# KiCad board FrontEnd_5G.kicad_pcb (continued)
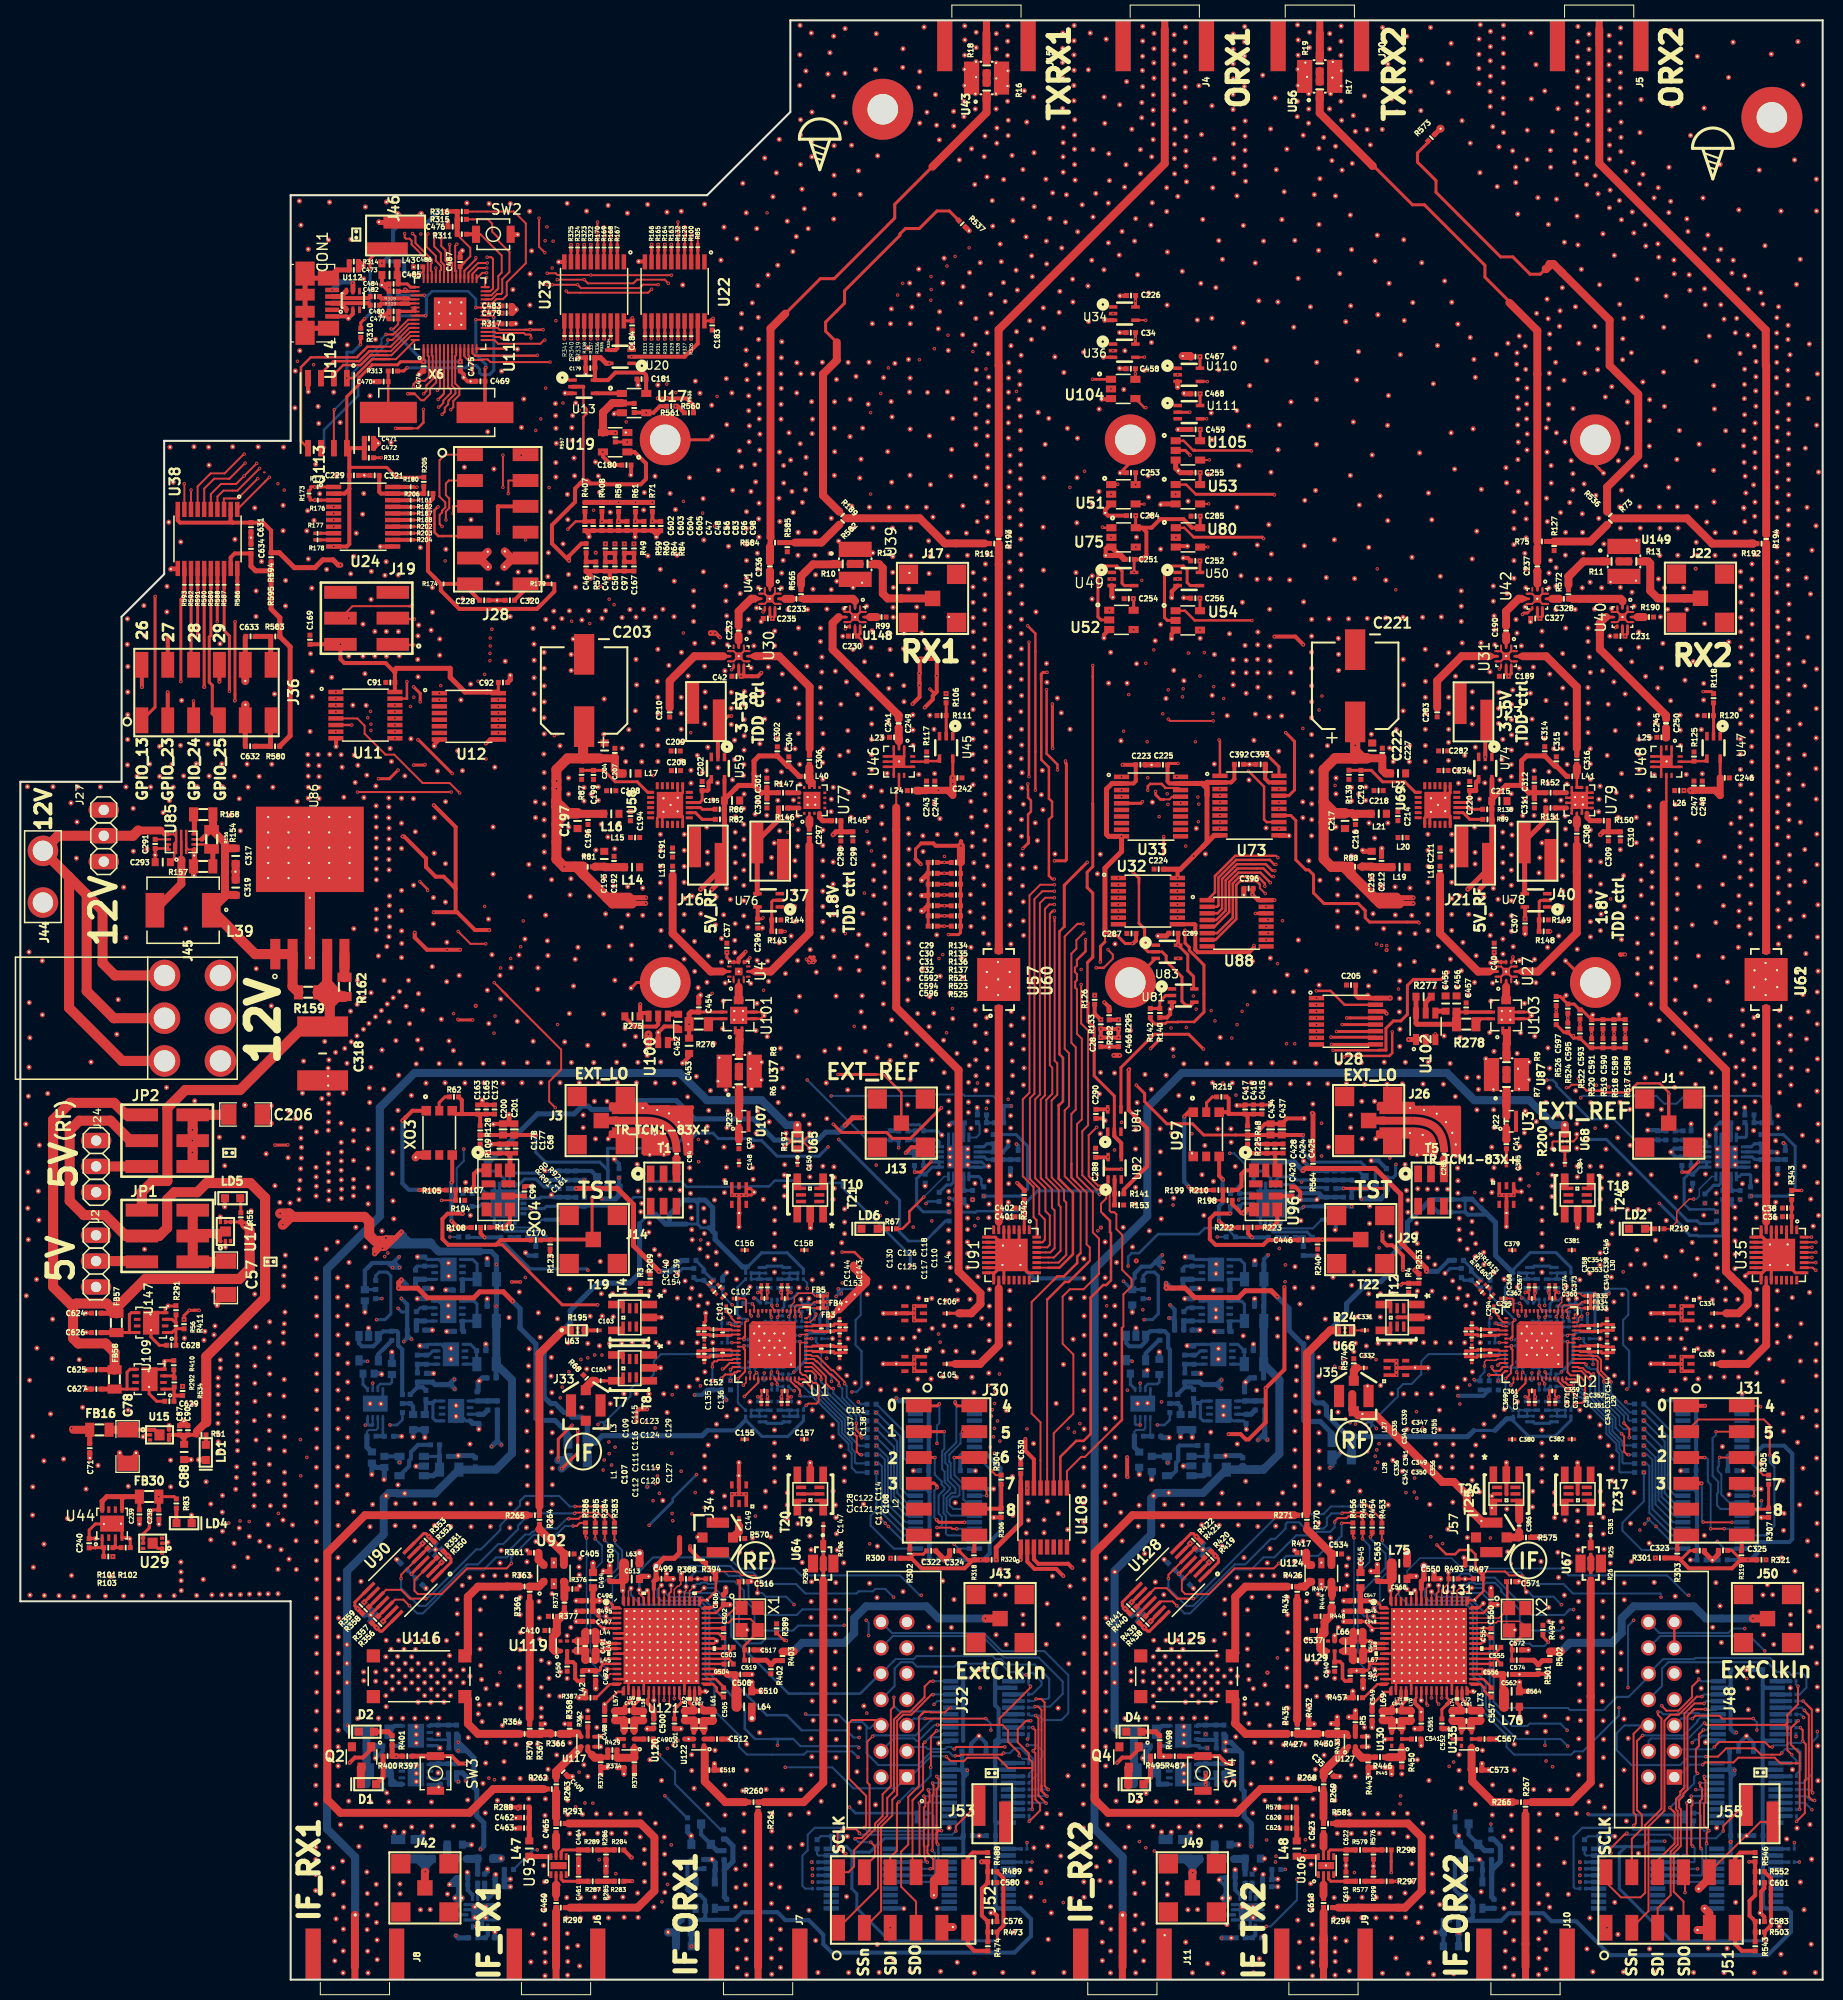
[diagram p0: board, top side]
## Routing (per net, layer and track width the routed paths; a pad name or vN(x,y) marks a point on that pad's centre or on a via; arc(x,y) is an arc through that point) (continued)
/SC1905_1/SDO: length 69.7
  F.RO w0.15: R388.1 64.93,39.34 64.93,38.88 64.72,38.67 64.61,38.67 64.28,38.34 64.28,38.01 U121.54
  F.RO w0.2: 100.38,18.55 100.7,18.23 ; 100.38,18.55 100.7,18.23 ; 100.38,18.55 100.38,19.07 ; 100.38,18.55 100.38,19.07 ; 100.7,18.23 100.9,18.03 v2(100.92,18.03) ; 100.38,19.07 100.38,26.51 100.06,26.83 99.74,26.83 v2(99.74,26.84)
  F.RO w0.25: 64.94,40.02 64.93,40.03 ; R388.1 64.94,39.43
  F.RO w0.4: 64.98,39.9 64.97,39.91 64.97,39.4 R388.1
  B.FR4 w0.25: J32.12 85.66,32.61 85.84,32.79 v2(85.84,37.59)
  B2.RO w0.2: J32.12 85.77,33.77 94.56,33.77 96.67,31.66 100.1,31.66 102.47,29.29 102.47,28.09 101.22,26.84 v2(99.74,26.84) 99.64,26.74 R478.2 ; v2(100.92,18.03) 100.92,18.04 R464.2 ; 64.97,39.91 65.03,39.91 65.78,40.66 69.79,40.66 70.42,40.03 72.04,40.03 73.18,38.89 76.25,38.89 77.18,37.96 82.2,37.96 82.41,38.17 83.81,38.17 84.05,38.41 85.02,38.41 v2(85.84,37.59)
/SC1905_1/SDO_CPU: length 10.4
  F.RO w0.2: v2(89.16,11.54) 88.94,11.76 88.94,11.96 88.87,12.03 88.87,13.1 88.82,13.15 88.82,16.91 88.96,17.05 88.96,17.82 88.82,17.96 v2(88.82,18.04)
  B2.RO w0.2: v2(89.16,11.54) 89.15,11.55 88.04,11.55 ; v2(88.82,18.04) 88.83,18.03 91.33,18.03 U132.15
/SC1905_1/SDO_EXT: length 26.6
  F.RO w0.2: 89.15,26.32 88.84,26.32 ; 89.15,26.32 88.84,26.32 ; 89.15,26.32 89.45,26.32 89.5,26.27 90.87,26.27 91.31,26.71 v2(91.45,26.71) ; 88.84,26.32 88.59,26.07 88.84,26.32 ; 88.84,26.32 88.33,25.81 88.33,19.02 87.28,17.97 87.28,13.28 86.58,12.58 86.58,9.14 88.05,7.67 J52.4
  B2.RO w0.2: v2(91.45,26.71) 91.46,26.72 91.46,26.74
/SC1905_1/SSN: length 69.5
  F.RO w0.15: U121.52 65.29,37.18 65.29,38.11 65.44,38.26 65.44,38.63
  F.FR4 w0.2: v2(81.46,36.38) 82.09,36.38 v2(83.15,35.32)
  B.FR4 w0.2: v2(98.85,29.96) 98.36,29.96 98.12,29.72 98.12,25.43 99.24,24.31 99.31,24.31 99.29,24.33 99.29,24.31 99.5,24.31 99.76,24.05 99.76,23.35 99.46,23.05 v2(98.99,23.05)
  B.FR4 w0.25: J32.8 83.38,28.76 v2(83.38,33.82)
  B2.RO w0.15: 99.59,28.17 99.46,28.04 R476.2 ; R462.2 100.16,20.36
  B2.RO w0.2: 98.64,29.96 98.37,30.23 ; 98.64,29.96 98.37,30.23 ; 98.64,29.96 99.04,29.96 99.24,30.16 99.51,30.16 ; 98.37,30.23 98.36,30.24 97.24,30.24 96.43,31.05 92.12,31.05 91.84,30.77 88.13,30.77 87.7,31.2 86.55,31.2 85.94,30.59 85.94,28.86 J32.8 ; v2(81.46,36.38) 81.45,36.39 76.87,36.39 76.32,35.84 73.19,35.84 71.58,37.45 71.58,38.76 70.65,39.69 69.61,39.69 69.18,40.12 66.41,40.12 65.89,39.6 65.44,39.15 65.44,38.63 ; v2(83.38,33.82) 83.38,35.09 v2(83.15,35.32) ; 100.16,20.36 100.16,21.58 100.47,21.89 100.47,22.46 99.88,23.05 v2(98.99,23.05) ; 99.51,30.16 99.1,30.16 98.9,29.96 v2(98.85,29.96) ; 99.51,30.16 99.75,29.92 ; 99.51,30.16 99.75,29.92 ; 99.75,29.92 100.38,29.29 100.38,28.96 99.59,28.17 ; R476.2 99.46,28.04 ; R462.2 99.17,19.34
/SC1905_1/SSN_CPU: length 12.7
  F.RO w0.2: v2(89.64,12.71) 89.67,12.74 89.67,18.14 89.77,18.24 89.77,19.11 89.68,19.2 v2(89.68,19.33)
  B2.RO w0.2: v2(89.64,12.71) 89.9,12.45 89.9,10.36 89.78,10.24 88.04,10.24 ; v2(89.68,19.33) 90.16,19.33 90.16,19.34 U132.17
/SC1905_1/SSN_EXT: length 28
  F.RO w0.2: v2(89.72,28.01) 89.55,28.01 87.59,26.05 86.78,26.05 86.19,25.46 86.19,18.16 85.71,17.68 85.71,16.14 84.61,15.04 84.61,6.74 J52.2
  B2.RO w0.2: v2(89.72,28.01) 89.75,28.03 U134.18
/SC1905_1/STATO: length 114.3
  F.RO w0.15: 63.02,38.76 62.77,38.51 62.77,37.18 U121.57
  F.RO w0.2: v2(90.15,25.04) 96.25,25.04 ; v2(54.93,20.39) 54.92,20.4 54.92,20.41 ; 96.25,25.04 96.25,25.66 99.3,28.71 v2(99.3,28.84) ; 96.25,25.04 96.54,25.04 97.09,24.49 97.09,23.39 98.19,22.29 v2(98.19,22.02)
  F.RO w0.4: v2(32.37,21.32) 32.88,21.83 33.67,21.83 34.49,22.65 Q2.1
  F.FR4 w0.2: J32.4 84.25,22.81 v2(82.43,22.81)
  F.FR4 w0.4: v2(74.43,23.03) 74.43,21.37 73.88,20.82 72.79,20.82 71.72,21.89 67.62,21.89 67.13,21.4 65.44,21.4 65.03,20.99 65.03,19.54 64.39,18.9 55.48,18.9 55.32,19.06 55.32,19.07 54.93,19.46 v2(54.93,20.39)
  B.FR4 w0.4: v2(54.93,20.39) 54,21.32 51.41,21.32 50.77,20.68 45.97,20.68 43.52,18.23 39.29,18.23 38.86,18.66 38.31,18.66 36.87,20.09 35.2,20.09 33.97,21.32 v2(32.37,21.32) ; v2(54.93,20.39) 54.95,20.37 v2(54.93,20.39)
  B2.RO w0.15: 73.91,23.65 73.94,23.65 ; v2(98.19,22.02) 98.52,21.69 98.7,21.69
  B2.RO w0.2: 68.5,29.34 67.72,30.12 67.72,36.35 66.83,37.24 63.02,37.24 62.64,37.62 62.64,38.38 63.02,38.76 ; v2(90.15,25.04) 89.86,25.04 88.28,23.46 88.1,23.46 87.85,23.71 85.87,23.71 J32.4 ; v2(99.3,28.84) 99.11,29.03 R475.2 ; 99.02,21.67 99.14,21.56 R460.2 ; 99.02,21.67 99,21.69 98.7,21.69 ; 99.02,21.67 99.02,21.65 99.02,21.67 ; 75.98,23.65 76.68,22.95 82.29,22.95 v2(82.43,22.81) ; 74.45,23.05 v2(74.43,23.03) ; 72.23,23.65 73.91,23.65
  B2.RO w0.25: 74.45,23.65 75.98,23.65 ; 74.45,23.65 73.91,23.65 ; 74.45,23.65 74.45,23.05 ; 72.23,23.65 71.22,24.66 71.22,26.62 68.5,29.34
/SC1905_1/STATO_EXT: length 30.5
  F.RO w0.2: v2(89.72,29.33) 89.42,29.33 88.89,28.8 88.89,27.77 87.47,26.35 86.66,26.35 85.88,25.57 85.88,18.53 85.22,17.87 85.22,16.11 84.31,15.2 84.31,8.98 J52.1
  B2.RO w0.2: v2(89.72,29.33) 89.72,29.34 U134.20
/SC1905_1/VG0: length 3.3
  F.RO w0.3: v2(33.16,36.45) 32.89,36.72 32.89,37.1 34.25,38.46 U90.8
  F.RO w0.4: v2(33.16,36.45) R358.2
  B2.RO w0.3: v2(33.16,36.45) C404.2
/SC1905_1/VG1: length 3.4
  F.RO w0.3: v2(40.18,43.53) 40.18,43.52 R353.2 39.87,43.84 39.63,43.84 U90.7
  F.RO w0.4: R352.2 40.66,43.05 R353.2
/SC1905_1/VG2: length 3.4
  F.RO w0.3: 35.03,34.59 35.36,34.26 35.56,34.26 37.01,35.71
  F.RO w0.4: R357.2 v2(35.03,34.58)
  B2.RO w0.4: v2(35.03,34.58) 35.04,34.59 C403.2
/SC1905_1/VG3: length 3.3
  F.RO w0.3: U90.1 42.33,41.02 42.33,41.37 R350.2 v2(42.05,41.66)
  F.RO w0.4: R350.2 42.05,41.66 R351.2
/SC1905_1/WDTEN: length 66
  F.RO w0.15: 67.22,38.51 66.83,38.12 66.53,38.12 66.28,37.87 U121.50
  F.RO w0.2: v2(99.47,16.74) 99.47,20.8 ; 99.47,20.8 97.11,20.8 96.1,21.81 93.09,21.81 92.76,21.48 91.46,21.48 v2(91.02,21.92) ; 99.47,20.8 99.47,21.4 99.14,21.73 99.14,22.23 98.05,23.32 98.05,24.62 98.87,25.44 v2(99.32,25.44)
  F.RO w0.25: R389.1 75.1,33.32 v2(75.31,33.32)
  B.FR4 w0.25: v2(75.19,20.87) 75.45,21.13 75.45,31.28 75.19,31.54 75.19,33.2 v2(75.31,33.32)
  B2.RO w0.2: v2(99.32,25.44) 99.12,25.44 R480.2 ; v2(91.02,21.92) 90.98,21.96 89.53,21.96 87.48,19.91 J32.1 86.05,18.81 81.87,18.81 79.81,20.87 v2(75.19,20.87) ; 73.54,33.51 73.26,33.51 72.8,33.05 71.53,33.05 70.64,33.94 70.64,36.73 69.75,37.62 69.11,37.62 68.22,38.51 67.22,38.51 ; R466.2 v2(99.47,16.74)
  B2.RO w0.25: v2(75.31,33.32) 75.12,33.51 73.54,33.51
/SC1905_1/WDTEN_EXT: length 25.1
  F.RO w0.2: v2(82.05,13.85) 82.11,13.91 82.7,13.91 83.48,14.69 83.48,19.16 83.26,19.38 83.26,23.4 v2(83.78,23.92) ; v2(83.6,13.51) 84,13.11 84,12.1 82.97,11.07 J52.8 82.96,10.57
  B2.RO w0.2: v2(82.05,13.85) 82.39,13.51 v2(83.6,13.51) ; v2(83.78,23.92) 83.87,24.01 88.03,24.01 89.46,25.44 89.5,25.44 89.8,25.73 90.36,25.73 90.66,25.44 U134.14
/SC1905_2/ADCIN0N(P7): length 18.7
  F.RO w0.15: v2(138.72,27.69) U131.25
  F.FR4 w0.15: 138.73,24.23 138.94,24.44 138.94,27.47 v2(138.72,27.69)
  F.FR4 w0.2: 138.73,24.23 138.73,21.37
  F.FR4 w0.25: 138.73,21.37 138.73,20.6 136.19,18.06 v2(135.68,18.06)
  B.FR4 w0.2: v2(135.68,18.06) 136.03,17.71 137.38,17.71 138.53,16.56 v2(141.05,16.56)
  B2.RO w0.4: v2(141.05,16.56) 141.03,16.54 R451.1
/SC1905_2/ADCIN0P(P6): length 29.4
  F.RO w0.15: U131.24 138.22,27.29
  F.RO w0.2: 138.22,27.08 v2(138.33,26.97) ; 138.22,27.08 v2(138.33,26.97) ; 138.22,27.08 v2(138.33,26.97) ; 138.22,27.08 138.22,27.29
  F.FR4 w0.2: 138.35,21.94 138.35,21.48 138.34,21.48 136.44,19.58 135.31,19.58 134.79,19.06 134.79,18.69 134.78,18.69 134.78,18.14 v2(135.63,17.29) ; 138.35,21.94 138.35,26.95 ; 138.35,21.94 138.35,26.95 ; 138.35,26.95 v2(138.33,26.97)
  B.FR4 w0.2: v2(144.56,15.29) 144.56,15.36 144.24,15.68 138.83,15.68 137.22,17.29 v2(135.63,17.29) ; v2(138.33,26.97) 138.32,26.97
  B2.RO w0.2: v2(144.56,15.29) R452.1 144.56,14.78
/SC1905_2/ADCIN1N(P10): length 40.7
  F.RO w0.15: v2(139.72,27.68) U131.27
  F.FR4 w0.15: 139.74,23.05 139.74,23.12 141.05,24.43 141.05,26.21 139.72,27.54 v2(139.72,27.68)
  F.FR4 w0.2: 139.74,18.73 139.74,23.05 ; 122.46,5.22 v2(122.47,5.23) 122.46,5.22 ; 122.46,5.22 v2(120.19,5.22)
  F.FR4 w0.25: 139.74,18.73 139.74,16.24 136.93,13.43 136.12,13.43 135.53,12.84 127.62,12.84 127.32,12.54 126.85,12.54 126.69,12.7 v2(126.25,12.7)
  B.FR4 w0.2: v2(125.49,9.86) 125.49,12.42 125.77,12.7 v2(126.25,12.7)
  B2.RO w0.2: v2(122.47,5.23) 122.9,5.23 125.49,7.82 v2(125.49,9.86)
  B2.RO w0.3: IC2.11 v2(120.19,5.22) IC2.12
/SC1905_2/ADCIN1P(P9): length 30
  F.RO w0.15: v2(139.42,27.08) 139.22,27.28 U131.26
  F.FR4 w0.15: v2(139.42,27.08) 139.42,25.14 139.36,25.08 139.36,24.9
  F.FR4 w0.2: v2(126.33,13.76) 135.11,13.76 138.36,17.01 138.36,17.69 139.36,18.69 139.36,24.9
  B.FR4 w0.2: v2(124.35,10.84) 124.35,12.65 125.46,13.76 v2(126.33,13.76)
  B2.RO w0.2: v2(124.35,10.84) 124.34,10.83 R459.2
/SC1905_2/DGPIN0: length 77.2
  F.RO w0.15: 135.49,38.37 135.49,38.03 135.22,37.76 U131.63
  F.FR4 w0.2: J48.7 162.14,27.53 161.02,28.65 159.58,28.65 158.54,27.61 158.04,27.61 v2(157.15,26.72)
  F.FR4 w0.3: J48.7 162.59,28.05 163.87,29.33 163.87,30.86 164.15,31.14 165.3,31.14 166.84,29.6 v2(169.71,29.6)
  B.FR4 w0.2: v2(174.88,11.56) 174.89,11.57 174.89,12.13 173.96,12.13 170.88,15.21 170.88,23.62 169.16,25.34 169.16,29.04 169.71,29.59 v2(169.71,29.6)
  B2.RO w0.15: 149.29,22.12 149.39,22.12 ; 135.49,38.37 135.49,37.8 135.99,37.3
  B2.RO w0.2: v2(174.88,11.56) 174.87,11.55 R531.2 ; 135.99,37.3 136.44,36.85 142.16,36.85 142.79,36.22 142.79,29.87 143.68,28.98 143.68,26.44 146.09,24.03 146.09,22.88 146.85,22.12 152.46,22.12 152.78,22.44 153.61,22.44 157.15,25.98 v2(157.15,26.72)
/SC1905_2/DGPIN1: length 64.2
  F.RO w0.15: U131.56 138.72,38.13
  F.RO w0.2: v2(170.35,25.66) 167.29,25.66 167,25.95 164.66,25.95 v2(164.37,25.66)
  F.FR4 w0.2: v2(152.05,24.51) 152.13,24.43 ; J48.5 162.59,23.86 162.29,23.56 159.77,23.56 159.2,22.99 157.74,22.99 156.29,24.44 153.57,24.44 153.57,24.43
  F.FR4 w0.3: 152.13,24.43 153.57,24.43
  B.FR4 w0.2: 171.67,23.57 v2(170.7,24.54) ; 171.67,23.57 174.23,23.57 v2(174.55,23.89) ; 171.67,23.57 171.67,23.42 171.66,23.41 171.66,16.93 174.39,14.2 v2(174.39,13.47)
  B2.RO w0.15: 149.37,25.17 149.39,25.17
  B2.RO w0.2: v2(164.37,25.66) 163.26,25.66 J48.5 ; v2(170.35,25.66) 170.7,25.31 170.7,25.23 170.69,25.22 170.7,25.22 v2(170.7,24.54) ; v2(174.39,13.47) 174.39,13.47 R530.2 ; v2(152.05,24.51) 151.39,25.17 148.38,25.17 148.14,24.93 146.59,24.93 144.44,27.08 144.44,35.58 142.4,37.62 139.23,37.62 138.72,38.13 ; R511.2 174.55,24.12 v2(174.55,23.89) 174.54,23.9 R511.2 ; R511.2 174.59,24.09
/SC1905_2/DGPIN1_EXT: length 20.6
  F.RO w0.2: v2(163.64,8.56) 163.64,10.41 J51.10 ; v2(164.35,23.3) 164.36,23.29 v2(164.35,23.3)
  B.FR4 w0.2: v2(163.64,8.56) 163.39,8.56 163.39,11.25 163.13,11.51 163.13,17.86 164.28,19.01 164.28,23.23 v2(164.35,23.3)
  B2.RO w0.2: U136.12 166.03,24.13 165.89,23.99 165.33,23.99 164.94,23.6 164.65,23.6 v2(164.35,23.3)
/SC1905_2/EXTCLKIN(P20): length 3.2
  F.RO w0.15: C574.1 147.61,31.4
  F.RO w0.5: R502.2 149.62,31.36 R501.2 148.78,31.4 C574.1
/SC1905_2/LOADENB: length 74.1
  F.RO w0.15: 136.31,38.38 136.72,37.97 U131.60
  F.RO w0.2: v2(166.52,22.87) 167.01,23.36 171.48,23.36 171.97,22.87 v2(172.21,22.87) ; v2(174.97,24.77) 175.21,24.53 v2(175.21,23.44) 175.51,23.14 175.51,19.69 175.42,19.6 175.42,16.37 v2(174.61,15.56)
  B.FR4 w0.3: J48.3 162.59,22.95 164.12,24.48 164.12,24.79 163.7,25.21 163.7,26.53 163.97,26.8 163.97,30.57 164.01,30.61 v2(164.01,37.78)
  B2.RO w0.15: 149.39,40.41 143.04,40.41 142.78,40.67 141.44,40.67 140.68,41.43 137.58,41.43 136.31,40.16 136.31,38.38
  B2.RO w0.2: v2(174.61,15.56) 174.61,16.06 R529.2 174.59,16.09 ; v2(174.97,24.77) 174.55,24.77 R510.2 ; 163.01,22.87 J48.3 162.57,22.44 162.77,22.64 166.29,22.64 v2(166.52,22.87) ; v2(164.01,37.78) 163.84,37.78 161.89,39.73 152.2,39.73 151.52,40.41 149.39,40.41 ; v2(175.21,23.44) 175.04,23.27 173.77,23.27 173.77,23.16 173.64,23.03 172.37,23.03 v2(172.21,22.87)
/SC1905_2/LOADENB_EXT: length 18.1
  F.RO w0.2: v2(162.14,16.9) 162.5,16.53 162.53,16.53 162.62,16.44 162.62,13.39 160.95,11.72 J51.9 ; v2(165.46,24.55) 165.01,24.1 165.01,23.3 165.01,23.36 165.01,22.97 164.71,22.67 164.71,20.44 v2(164.87,20.28)
  B2.RO w0.2: v2(162.14,16.9) 164.54,19.3 164.54,19.95 v2(164.87,20.28) ; v2(165.46,24.55) 165.78,24.55 166.01,24.78 U136.13
/SC1905_2/MGPO0(P34): length 30.1
  F.RO w0.2: v2(115.31,37.45) 113.72,37.45 112.69,38.48 111.55,38.48 U128.10 ; v2(131.97,46.71) 132.32,46.71 133.84,45.19 R453.2
  F.RO w0.3: R440.1 U128.10
  B2.RO w0.2: v2(115.31,37.45) 115.42,37.45 123.72,45.75 128.09,45.75 128.85,46.51 131.45,46.51 131.65,46.71 v2(131.97,46.71)
/SC1905_2/MGPO1(P35): length 31.4
  F.RO w0.2: v2(129.92,45.83) 129.99,45.9 132.24,45.9 132.89,45.25 R454.2 ; v2(112.86,39.42) 112.86,39.79 U128.5
  F.RO w0.3: U128.5 R421.1
  B2.RO w0.2: v2(112.86,39.42) 112.86,38.49 114.61,36.74 115.31,36.74 119.39,40.82 120.42,40.82 122.93,43.33 123.36,43.33 124.38,44.34 124.38,44.78 124.55,44.95 125.7,44.95 126.32,44.33 128.11,44.33 128.43,44.65 128.43,45.36 128.9,45.83 v2(129.92,45.83)
/SC1905_2/MGPO2(P37): length 28.5
  F.RO w0.2: v2(113.69,36.75) 113.26,37.18 112.12,37.18 111.08,36.14 U128.12 ; v2(129.2,44.98) 129.2,45.07 129.49,45.36 130.36,45.36 130.54,45.54 131.66,45.54 131.95,45.25 R455.2
  F.RO w0.3: U128.12 R439.1
  B2.RO w0.2: v2(113.69,36.75) 114.44,36 114.99,36 119.3,40.31 121.01,40.31 122.21,41.51 123.27,41.51 125.43,43.67 127.09,43.67 127.44,44.02 128.76,44.02 129.2,44.46 v2(129.2,44.98)
/SC1905_2/MGPO3(P38): length 24.7
  F.RO w0.2: v2(123.71,40.91) 123.22,40.42 119.35,40.42 116.83,37.9 114.51,37.9 114.18,38.23 114.18,39.27 U128.3 ; v2(129.88,44.85) 129.92,44.89 130.07,44.89 R456.2
  F.RO w0.3: U128.3 R420.1
  B2.RO w0.2: v2(123.71,40.91) 124.46,41.66 127.58,41.66 128.41,42.49 128.76,42.49 129.88,43.61 v2(129.88,44.85)
/SC1905_2/RESETN: length 140.4
  F.RO w0.15: 144.07,40.12 143.75,39.8 R497.1
  F.RO w0.2: 144.07,40.12 145.96,40.12 146.35,39.73 147.62,39.73 147.9,39.45 147.9,38.25 148.05,38.1 148.04,38.12 ; 159.39,24.99 J48.6 159.41,24.99 158.58,24.16 158.58,16.42 158.81,16.19 158.81,15.36 v2(158.61,15.16) ; v2(173.15,22.28) 172.99,22.12 171.1,22.12 170.48,22.74 167.69,22.74 166.87,21.92 v2(165.68,21.92)
  F.RO w0.25: R497.1 143.81,39.34 143.81,38.19 142.91,37.29 142.34,37.29 U131.49 ; v2(139.25,42.73) 140.16,41.82 141.04,41.82 141.45,42.23 142.61,42.23 143.04,41.8 143.04,40.51
  F.RO w0.4: v2(119.19,21.24) 118.57,21.24 117.84,21.97 SW4.2 116.24,21.96 ; 143.04,40.51 143.75,39.8 R497.1
  F.RO w0.5: 116.24,21.96 R487.1
  F.FR4 w0.25: v2(139.25,42.73) 139.13,42.61 135.14,42.61 134.16,41.63 133.14,41.63 132.06,40.55 132.06,39.07 130.93,37.94 129.4,37.94 127.74,36.28 127.74,33.66 126.85,32.77 125.91,32.77 124.77,31.63 v2(123.57,31.63)
  B.FR4 w0.2: J48.6 160.05,25.07 156.38,28.74 156.38,29.07 155.8,29.65 152.61,29.65 152.55,29.59 152.43,29.71 152.43,35.07 151.9,35.6 151.9,36.45 v2(151.49,36.86)
  B.FR4 w0.4: v2(119.19,21.24) 118.28,21.24 117.59,21.93 117.59,25.54 119.81,27.76 122.46,27.76 123.58,28.88 123.58,30.96
  B.FR4 w0.5: 123.58,30.96 123.57,30.97 v2(123.57,31.63)
  B2.RO w0.2: v2(151.49,36.86) 150.71,37.64 148.73,37.64 148.25,38.12 148.04,38.12 ; R551.2 152.84,8.95 152.69,9.1 152.69,14.09 153.53,14.93 158.37,14.93 158.55,14.75 164.2,14.75 164.49,15.04 R545.2 ; J48.6 157.69,24.99 156.91,24.21 156.91,22.57 158.39,21.09 163.16,21.09 163.99,21.92 v2(165.68,21.92) ; R513.2 174.59,20.23 175,20.64 175,22.4 174.72,22.68 173.5,22.68 173.15,22.33 v2(173.15,22.28) ; 158.37,14.92 v2(158.61,15.16)
/SC1905_2/RESETN_CPU: length 16.9
  F.RO w0.2: v2(165.53,19.98) 165.51,19.96 165.51,19.73 165.65,19.59 165.65,17.42 165.51,17.28 165.51,15.12 v2(165.99,14.64) 165.76,14.41 v2(165.76,13.37)
  B2.RO w0.2: R542.2 165.3,9.61 165.69,10 165.69,13.3 v2(165.76,13.37) ; R544.2 164.95,16.37 165.21,16.11 165.21,14.95 165.52,14.64 v2(165.99,14.64) ; 166.77,19.99 U137.18 v2(165.53,19.98)
/SC1905_2/SCLK: length 58.7
  F.RO w0.15: 141.65,38.63 141.64,38.63 141.22,38.21 U131.51
  F.RO w0.2: v2(175.3,25.77) 175.3,25.76
  F.FR4 w0.2: v2(151.65,34.56) 151.68,34.59 159.49,34.59 J48.14
  B.FR4 w0.2: 175.3,25.75 175.3,25.5 175.61,25.19 175.61,24.72 176.04,24.29 176.04,19.13 175.21,18.3 175.21,17.61 v2(176.11,16.71) ; 175.3,25.75 174.91,26.14 173.11,26.14 170.63,28.62 170.63,33.39 v2(169.51,34.51) ; 175.3,25.75 v2(175.3,25.77)
  B2.RO w0.2: 145.57,38.39 144.95,39.01 144.06,39.01 143.94,38.89 143.04,38.89 142.91,39.02 142.41,39.02 142.28,38.89 142.23,38.89 142.17,38.83 141.85,38.83 141.65,38.63 ; 174.68,26.09 R508.2 ; R508.2 174.99,26.09 v2(175.3,25.77) ; R508.2 174.67,25.96 ; R527.2 175.44,17.39 v2(176.11,16.71) ; J48.14 161.12,34.08 167.9,34.08 168.33,34.51 v2(169.51,34.51) ; v2(151.65,34.56) 151.4,34.31 148.38,34.31 147.4,35.29 147.4,36.33 145.57,38.16
  B2.RO w0.25: 145.57,38.39 145.57,38.16
/SC1905_2/SCLK_CPU: length 8.5
  F.RO w0.2: v2(163.83,17.38) 163.83,12.22 v2(163.82,12.21)
  B2.RO w0.2: v2(163.83,17.38) 163.83,17.38 U137.14 ; v2(163.82,12.21) 163.82,12.21 ; v2(163.82,12.21) 163.82,12.21 ; v2(163.82,12.21) 163.82,12.21 ; 163.82,12.21 R538.2
/SC1905_2/SCLK_EXT: length 30.8
  F.RO w0.2: 155.87,11.04 J51.7 155.87,9.56 157.34,8.09 159.27,8.09 159.72,8.54 159.72,15.19 161.32,16.79 161.32,25.68 160.98,26.02 v2(160.98,26.31)
  B2.RO w0.2: v2(160.98,26.31) 161.28,26.31 161.51,26.08 162.84,26.08 162.95,26.19 164.97,26.19 165.08,26.08 U136.15
/SC1905_2/SDI: length 64.5
  F.RO w0.15: 140.25,38.13 140.22,38.1 U131.53
  F.RO w0.2: v2(176.19,18.36) 176.11,18.44 176.11,26.53 176.03,26.61 ; 175.74,26.9 175.25,27.39 v2(175.25,27.39) ; 175.74,26.9 176.01,26.63 ; 175.74,26.9 176.03,26.61 ; 176.01,26.63 176.03,26.61 ; 176.01,26.63 176.03,26.61
  B.FR4 w0.2: v2(172.35,31.26) 172.35,29.29 174.25,27.39 v2(175.25,27.39)
  B2.RO w0.2: v2(176.19,18.36) 176.2,18.36 175.88,18.69 R515.2 ; J48.10 161.48,31.5 164.55,31.5 164.67,31.62 171.99,31.62 v2(172.35,31.26) ; J48.10 160.05,29.44 ; J48.10 160.05,29.76 158.09,27.8 156.96,27.8 155.66,26.5 152.34,26.5 152.14,26.7 145.45,26.7 144.82,27.33 144.82,36.22 144.56,36.48 144.56,37.11 143.67,38 140.76,38 140.63,38.13 140.25,38.13 ; R506.2 v2(175.25,27.39)
/SC1905_2/SDI_CPU: length 13.2
  B.FR4 w0.2: v2(164.69,18.68) 165.05,18.32 165.05,14.36 165.36,14.05 166.03,14.05 166.63,13.45 166.63,12.64 164.89,10.9 v2(164.88,10.9)
  B2.RO w0.2: v2(164.69,18.68) 164.7,18.68 U137.16 ; v2(164.88,10.9) R540.2
/SC1905_2/SDI_EXT: length 26.7
  F.RO w0.2: 163.21,18.5 163.17,18.46 163.17,18.18 162.76,17.77 162.76,16.74 162.92,16.58 162.92,13.27 162.23,12.58 162.23,8.3 160.95,7.02 J51.3 ; 163.21,18.5 163.55,18.84 163.56,18.84 163.57,18.85 ; 163.21,18.5 163.57,18.86 163.57,19.05 163.58,19.06 163.58,26.16 164.57,27.15 v2(165.52,27.15)
  B2.RO w0.2: 166.83,27.3 U136.17 165.75,27.38 v2(165.52,27.15)
/SC1905_2/SDO: length 64.9
  F.RO w0.15: R493.1 140.37,39.34 140.37,38.94 139.72,38.29 U131.54
  F.RO w0.2: v2(176.38,17.61) 176.18,17.61 175.81,17.98 175.81,26.01 175.38,26.44 v2(175.38,26.47) ; v2(175.38,26.47) 175.37,26.46 v2(175.38,26.47)
  F.RO w0.25: R493.1 140.38,39.45 140.38,40.03
  F.FR4 w0.2: v2(161.28,37.59) 161.43,37.44 161.43,32.87 161.17,32.61 J48.12
  B.FR4 w0.2: v2(171.48,32.32) 171.48,29.04 173.65,26.87 174.98,26.87 v2(175.38,26.47)
  B2.RO w0.15: 149.39,38.89 148.63,38.89 147.49,40.03 142.92,40.03 142.67,40.28 141.51,40.28 141.26,40.03 140.38,40.03
  B2.RO w0.2: 174.62,26.74 R507.2 175.12,26.74 v2(175.38,26.47) ; J48.12 161.22,33.78 170.01,33.78 170.85,32.94 170.85,32.94 171.47,32.32 v2(171.48,32.32) ; v2(161.28,37.59) 161.28,37.86 161.18,37.96 152.62,37.96 151.69,38.89 149.39,38.89 ; R516.2 175.55,18.03 175.9,17.68 176.31,17.68 v2(176.38,17.61)
/SC1905_2/SDO_CPU: length 10.4
  F.RO w0.2: v2(164.25,18.03) 164.25,17.7 164.37,17.59 164.37,17.19 164.25,17.07 164.25,17.07 164.25,13.75 164.25,13.75 164.25,13.26 v2(164.39,13.12)
  B2.RO w0.2: v2(164.25,18.03) 164.26,18.03 U137.15 ; R539.2 164.59,11.55 164.59,12.93 v2(164.39,13.12)
/SC1905_2/SDO_EXT: length 25.6
  F.RO w0.2: 164.54,26.58 164.33,26.37 ; 164.54,26.58 164.33,26.37 ; 164.54,26.58 v2(165.65,26.58) ; 164.33,26.37 163.88,25.92 163.88,18.71 163.64,18.47 163.64,18.46 163.48,18.3 163.48,18.06 163.06,17.64 163.06,16.9 163.22,16.74 163.22,13.12 162.53,12.43 162.53,8.64 163.49,7.68 J51.4
  B2.RO w0.2: U136.16 166.69,26.51 165.85,26.51 165.78,26.58 v2(165.65,26.58)
/SC1905_2/SSN: length 66
  F.RO w0.15: 140.88,38.63 140.88,38.27 140.74,38.13 140.74,37.19 U131.52
  F.FR4 w0.2: v2(158.59,35.32) 157.53,36.38 153.6,36.38
  F.FR4 w0.25: 153.6,36.38 v2(152.69,36.38)
  B.FR4 w0.2: v2(174.29,29.96) 174.81,29.96 175.95,28.82 175.95,25.09 v2(176.65,24.39) ; J48.8 158.87,28.71 v2(158.04,28.71)
  B2.RO w0.2: J48.8 161.38,28.86 161.38,30.59 161.99,31.2 171.73,31.2 172.68,30.24 173.8,30.24 174.08,29.96 v2(174.29,29.96) 174.43,30.1 175.2,30.1 175.57,29.73 175.57,28.7 174.9,28.03 R505.2 ; 152.04,36.12 151.76,35.84 148.62,35.84 144.94,39.52 142.8,39.52 142.41,39.91 141.65,39.91 140.88,39.14 140.88,38.63 ; v2(158.59,35.32) 158.04,34.77 v2(158.04,28.71) ; v2(176.65,24.39) 176.65,23.86 176.12,23.33 176.12,20.19 175.27,19.34 R514.2 174.61,19.34
  B2.RO w0.25: v2(152.69,36.38) 152.3,36.38 152.04,36.12
/SC1905_2/SSN_CPU: length 12.8
  F.RO w0.2: v2(165.12,19.33) 165.12,18.99 165.12,18.99 165.31,18.8 165.31,17.76 165.11,17.56 165.12,17.56 165.12,13.37 165.12,13.37 165.12,12.98 v2(165.22,12.88)
  B2.RO w0.2: v2(165.12,19.33) 165.12,19.33 U137.17 ; v2(165.22,12.88) 165.34,12.76 165.34,10.36 165.22,10.25 R541.2
/SC1905_2/SSN_EXT: length 28
  F.RO w0.2: v2(165.3,27.82) 164.8,27.82 163.03,26.05 162.23,26.05 161.62,25.44 161.62,16.61 160.05,15.04 160.05,6.74 J51.2
  B2.RO w0.2: U136.18 165.51,28.03 v2(165.3,27.82)
/SC1905_2/STATO: length 117.2
  F.RO w0.15: 138.47,38.76 138.22,38.51 U131.57
  F.RO w0.2: v2(174.74,28.84) 174.75,28.83 174.75,27.07 173.7,26.02 173.7,25.26 ; v2(165.56,25.22) 165.74,25.04 173.48,25.04 ; 173.7,25.26 173.48,25.04 ; 173.7,25.26 173.7,24.53 ; 173.7,24.53 173.7,24.82 173.48,25.04 ; 173.7,24.53 173.7,22.55 v2(174.14,22.11)
  F.RO w0.4: v2(107.81,21.32) 108.32,21.83 109.11,21.83 109.94,22.66 Q4.1
  F.FR4 w0.2: v2(152.12,22.95) 152.13,22.96
  F.FR4 w0.25: 142.99,21.88 149.59,21.88 v2(149.98,21.49)
  F.FR4 w0.3: 152.13,22.96 155.8,22.96 157.1,21.66 159.26,21.66 J48.4
  F.FR4 w0.4: 142.99,21.88 142.5,21.39 v2(140.89,21.39) v2(140.46,20.96)
  B.FR4 w0.25: 149.87,22.47 149.87,21.73 ; 149.87,22.47 149.87,21.6 v2(149.98,21.49) ; 149.87,22.47 v2(149.87,23.03)
  B.FR4 w0.4: v2(140.89,21.39) v2(140.46,20.96) 140.46,19.51 139.85,18.9 130.92,18.9 130.39,19.43 130.39,20.37 129.44,21.32 126.86,21.32 126.22,20.68 121.42,20.68 118.97,18.23 114.73,18.23 114.3,18.66 113.28,18.66 112.86,19.08 111.65,19.08 109.41,21.32 v2(107.81,21.32)
  B2.RO w0.15: 149.34,23.65 149.39,23.65
  B2.RO w0.2: 174.58,29.31 R504.2 174.55,29.03 v2(174.74,28.84) ; v2(174.14,22.11) 174.14,21.99 174.58,21.55 R512.2 ; J48.4 160.05,23.46 160.29,23.7 163.96,23.7 165.48,25.22 v2(165.56,25.22) ; v2(152.12,22.95) 151.42,23.65 149.89,23.65 ; 149.89,23.65 149.89,23.05 v2(149.87,23.03) ; 149.89,23.65 147.11,23.65 144.06,26.7 144.06,29.23 143.17,30.12 143.17,36.34 142.27,37.24 138.47,37.24 138.09,37.62 138.09,38.38 138.47,38.76
/SC1905_2/STATO_EXT: length 33.1
  F.RO w0.2: v2(161.35,26.93) 161.35,26.91 161.82,26.44 163,26.44 164.33,27.77 164.33,28.8 164.99,29.46 v2(164.99,29.55) ; v2(155.97,5.11) 155.96,5.1 J51.1
  B.FR4 w0.2: v2(155.97,5.11) 156.39,5.53 157.83,5.53 160.26,7.96 160.26,15.47 161.46,16.67 161.46,25.4 161.57,25.51 161.57,26.85 161.49,26.93 v2(161.35,26.93)
  B2.RO w0.2: v2(164.99,29.55) 165.21,29.33 U136.20
  B2.RO w0.4: 166.9,29.33 U136.20
/SC1905_2/VG0: length 3.3
  F.RO w0.3: U128.8 108.33,37.1 108.33,36.73 v2(108.6,36.46)
  F.RO w0.4: v2(108.6,36.46) R440.2
  B2.RO w0.3: v2(108.6,36.46) C539.2
/SC1905_2/VG1: length 3.4
  F.RO w0.3: U128.7 115.07,43.84 115.32,43.84 v2(115.63,43.53)
  F.RO w0.4: R421.2 v2(115.63,43.53)
/SC1905_2/VG2: length 3.4
  F.RO w0.3: U128.14 111,34.26 110.8,34.26 R438.2
  F.RO w0.4: R439.2 R438.2
  F.RO w0.5: v2(110.48,34.6) R438.2
/SC1905_2/VG3: length 3.3
  F.RO w0.3: R419.2 117.77,41.37 117.77,41.03 U128.1
  F.RO w0.4: v2(117.49,41.65) R419.2 117.48,41.67 R420.2
/SC1905_2/WDTEN: length 68.9
  F.RO w0.15: 142.67,38.51 142.28,38.12 141.97,38.12 141.72,37.87 U131.50
  F.RO w0.2: v2(174.91,16.74) 174.91,21.27 ; 174.91,21.27 173,21.27 172.46,21.81 168.87,21.81 168.41,21.35 165.6,21.35 v2(165.38,21.13) ; 174.91,21.27 174.91,22.25 174.05,23.11 174.05,24.73 v2(174.76,25.44)
  F.RO w0.3: R494.1 149.67,33.71 v2(150.2,33.18)
  F.FR4 w0.3: J48.1 162.59,18.7 162.14,18.25 158.03,18.25 156.24,20.05 ; v2(150.62,20.93) 154.07,20.93 ; 155.35,20.93 156.24,20.05 ; 155.35,20.93 154.07,20.93 ; 155.35,20.93 154.07,20.93 ; 155.35,20.93 156.24,20.05 ; 155.35,20.93 156.24,20.05
  B.FR4 w0.25: v2(150.2,33.18) 150.2,31.23 151.01,30.42 151.01,28.16 150.62,27.77 v2(150.62,20.93)
  B2.RO w0.15: 149.35,32.79 149.39,32.79
  B2.RO w0.2: v2(174.91,16.74) 174.91,16.74 ; v2(174.91,16.74) 174.91,16.74 ; v2(174.91,16.74) 174.91,16.74 ; 174.91,16.74 R528.2 ; v2(174.76,25.44) 174.76,25.44 ; v2(174.76,25.44) 174.76,25.44 ; v2(174.76,25.44) 174.76,25.44 ; 174.76,25.44 R509.2 ; J48.1 162.92,19.91 164.14,21.13 v2(165.38,21.13) ; v2(150.2,33.18) 149.81,32.79 148.63,32.79 148.38,33.04 146.99,33.04 146.09,33.94 146.09,36.74 145.21,37.62 144.57,37.62 143.68,38.51 142.67,38.51